# Altium PCB higgs.PcbDoc (part 10 of 25)
Units mm, origin at the board's own origin, x right, y up, seen from the top; angles counter-clockwise.
Board outline 160 x 160 mm, 15 copper layers (TOP, P1(GND), S1(V), P2(GND), S2(H), P3(GND), S3(V12/V2V5), S4(VDDR), P4(GND), S5(V), P5(GND), S6(H), P6(GND), P1(GND) (Plane1), BOT), stack 3.262 mm thick; 1283 components, 2419 nets, 11066 pads, 5487 vias.
Unrouted connection lines stored in the file: 239.
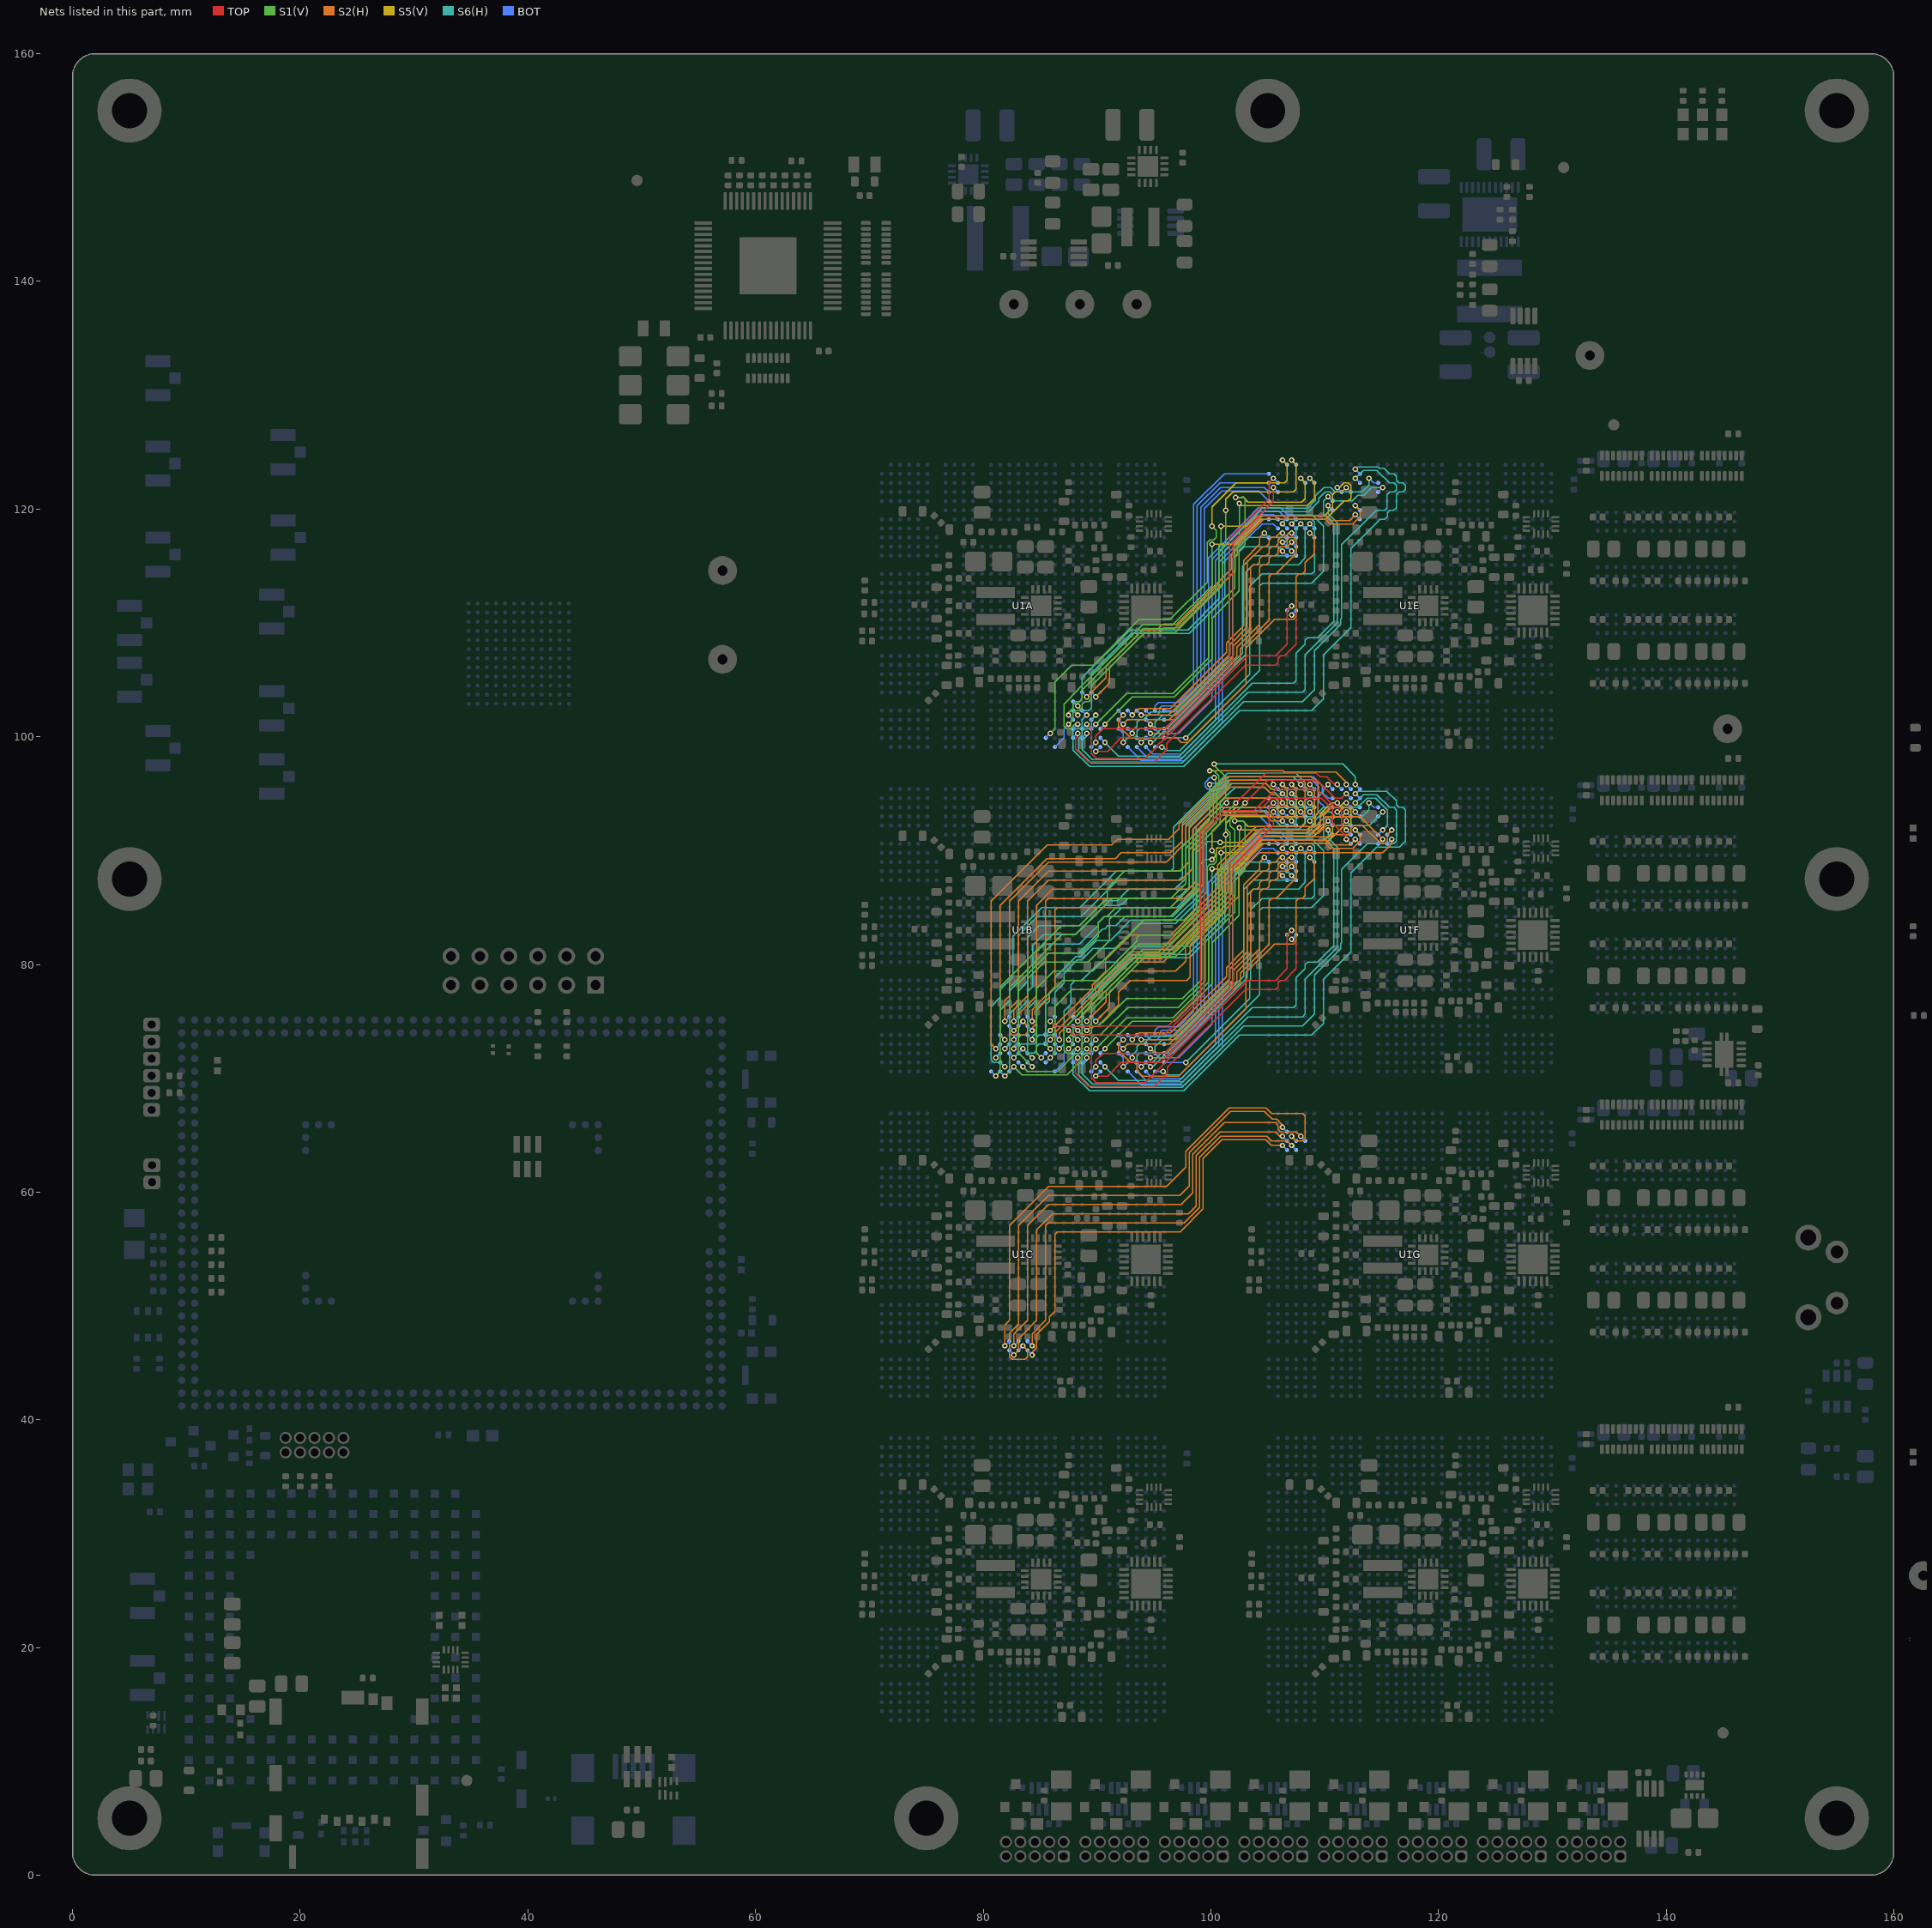
[diagram p23: the nets of this part, all layers, seen from the top]

## Via types
v1: diameter 0.483, hole 0.254, TOP to BOT, tented both sides, 5146 vias
v2: diameter 0.457, hole 0.254, TOP to BOT, tented both sides, 278 vias
v3: diameter 0.5, hole 0.25, TOP to BOT, 50 vias
v4: diameter 0.483/0/0/0/0.483/0/0/0.483 (per signal layer), hole 0.254, TOP to BOT, tented both sides, 7 vias
v5: diameter 0.483, hole 0.254, TOP to BOT, tented bottom, 5 vias
v6: diameter 0.483, hole 0.254, TOP to BOT, 1 vias

## Nets (pads, with @x,y where several pads share a name; then routed paths per layer and width w, separated by ;. In a path a pad name is that pad's centre, name@x,y a point inside that pad or via, vN(x,y) a via of type N, cw(c..) or ccw(c..) an arc to the next point about the centre after c; other vN are vias at no path point) (continued)
IL07_30.LR.G2.D4_N: U1A.AD26 U1E.L6 | length 34.3
  S2(H) w0.102: v1(89.9,103.5) 91.101,104.701 91.101,106.065 94.117,109.082 95.37,109.082 95.864,109.575 97.117,109.575 102.124,114.582 102.124,115.773 102.328,115.977 102.328,116.777 103.128,117.577 103.128,117.604 104.623,119.099 110.074,119.099 110.478,118.695 112.46,118.695 113.099,119.335 113.099,119.899 112.7,120.298 v1(112.7,120.3)
  BOT w0.102: U1A.AD26@89.5,103.9 v1(89.9,103.5) ; v1(112.7,120.3) U1E.L6@113.1,119.9
IL07_30.LR.G2.D4_P: U1A.AC26 U1E.L7 | length 33.5
  S2(H) w0.102: v1(89.1,103.5) 90.796,105.196 90.796,106.192 93.991,109.387 95.244,109.387 95.737,109.88 96.99,109.88 101.819,114.709 101.819,115.9 102.023,116.103 102.023,116.903 102.823,117.703 102.823,117.73 104.497,119.404 110.201,119.404 110.605,119 112.2,119 v1(112.7,119.5)
  BOT w0.102: U1A.AC26@88.7,103.9 v1(89.1,103.5) ; v1(112.7,119.5) U1E.L7@113.1,119.1
IL07_30.LR.G2.S_N: U1A.AB27 U1E.N4 | length 41.4
  S6(H) w0.102: v1(88.3,102.7) 88.699,102.301 89.265,102.301 89.499,102.535 89.499,105.568 93.018,109.087 98.105,109.087 101.231,112.213 101.231,116.369 104.649,119.787 108.618,119.787 109.505,120.674 109.505,120.936 110.068,121.499 110.2,121.499 110.465,121.499 110.699,121.265 110.699,120.936 110.935,120.701 112.426,120.701 112.921,121.196 113.427,121.196 114.131,121.9 v1(115.1,121.9)
  BOT w0.102: U1A.AB27@87.9,103.1 v1(88.3,102.7) ; U1E.N4@114.7,121.5 v1(115.1,121.9)
IL07_30.LR.G2.S_P: U1A.AB28 U1E.N3 | length 41.3
  S6(H) w0.102: v1(88.3,101.9) 87.901,102.299 87.901,102.865 88.136,103.101 88.465,103.101 88.699,103.335 88.699,104.199 88.7,104.2 88.7,105.2 92.892,109.392 97.979,109.392 100.714,112.128 100.714,116.283 104.522,120.091 108.491,120.091 109.2,120.8 109.2,121.169 109.931,121.9 110.536,121.9 110.935,121.501 113.301,121.501 113.9,122.1 v1(113.9,122.7)
  BOT w0.102: U1A.AB28@87.9,102.3 v1(88.3,101.9) ; v1(113.9,122.7) 114.3,122.3 U1E.N3@114.7,122.3
IL07_30.LR.G3.D0_N: U1A.AE30 U1E.E3 | length 37.5
  S1(V) w0.102: v1(90.7,101.1) 93.1,103.5 96.8,103.5 100.1,106.8 100.1,110.4 102.498,112.798 102.498,116.398 103,116.9 103,120.9 102.8,121.1 102.731,121.031 v1(102.182,121.031)
  S5(V) w0.102: v1(102.182,121.031) 102.731,121.031 102.8,121.1 103.277,120.623 108,120.623 108.299,120.922 108.299,121.265 108.299,122.301 v1(107.9,122.7)
  BOT w0.102: U1A.AE30@90.3,100.7 v1(90.7,101.1) ; v1(107.9,122.7) U1E.E3@108.3,122.3
IL07_30.LR.G3.D0_P: U1A.AD30 U1E.F3 | length 37
  S1(V) w0.102: v1(89.9,101.1) 92.605,103.805 96.674,103.805 99.795,106.926 99.795,110.76 102.099,113.064 102.099,116.43 102.5,116.831 v1(102.5,120.5)
  S5(V) w0.102: v1(102.5,120.5) 102.682,120.318 108.483,120.318 109.099,120.935 109.099,122.301 v1(108.7,122.7) v1(108.7,122.7)
  BOT w0.102: U1A.AD30@89.5,100.7 v1(89.9,101.1) ; v1(108.7,122.7) U1E.F3@109.1,122.3
IL07_30.LR.G3.D1_N: U1A.Y32 U1E.D1 | length 39.8
  S1(V) w0.102: v1(87.5,101.1) 87.9,101.5 87.9,102.064 88.135,102.299 88.464,102.299 88.701,102.537 88.701,102.865 88.935,103.099 89.264,103.099 89.5,103.336 89.5,104.464 94.236,109.2 96.9,109.2 101,113.3 101,116.588 101.004,116.593 ; 101,116.597 101,116.669 101.3,116.969 v1(101.3,119.9)
  S5(V) w0.102: v1(101.3,119.9) 101.3,120.865 101.934,121.499 107.099,121.499 107.101,121.501 107.265,121.501 107.5,121.736 107.5,123.9 v1(107.1,124.3)
  BOT w0.102: U1A.Y32@86.3,99.1 87.1,99.9 87.1,100.7 v1(87.5,101.1) ; v1(107.1,124.3) U1E.D1@107.5,123.9
IL07_30.LR.G3.D1_P: U1A.W31 U1E.C1 | length 39.7
  S1(V) w0.102: v1(85.9,100.3) 86.301,100.701 86.301,104.801 87.799,106.299 88.923,106.299 88.941,106.281 89.272,106.281 89.29,106.299 89.695,106.299 93.696,110.301 96.425,110.301 99.701,113.577 99.701,117.065 99.935,117.299 100.264,117.299 100.499,117.535 100.499,118.101 v1(100.1,118.5)
  S5(V) w0.102: v1(100.1,118.5) 100.101,120.201 102.199,122.299 106.3,122.299 106.302,122.301 106.465,122.301 106.699,122.535 106.699,123.901 v1(106.3,124.3)
  BOT w0.102: U1A.W31@85.5,99.9 v1(85.9,100.3) ; v1(106.3,124.3) U1E.C1@106.7,123.9
IL07_30.LR.G3.D2_N: U1A.AD29 U1E.L3 | length 56
  S6(H) w0.102: 89.265,100.699 88.935,100.699 ; v1(89.9,101.9) 89.499,101.499 89.499,100.935 89.265,100.701 88.936,100.701 88.935,100.699 ; 109.099,105.199 109.099,104.135 108.065,103.101 102.894,103.101 97.484,97.691 89.482,97.691 88.396,98.777 88.396,99.792 ; 109.1,105.2 109.1,107.569 111.405,109.874 111.405,110.3 111.499,110.394 111.499,116.864 113.668,119.032 114.536,119.901 115.276,119.901 115.499,120.124 115.499,121.264 115.735,121.499 116.104,121.499 116.299,121.695 116.299,122.065 116.065,122.299 115.696,122.299 114.704,123.291 114.682,123.291 114.568,123.406 113.406,123.406 v1(112.7,122.7) ; 88.396,99.792 88.396,99.832 88.699,100.135 88.699,100.464 88.701,100.465 ; 88.396,99.792 88.701,100.096 88.701,100.465 ; 88.701,100.465 88.935,100.699
  BOT w0.102: U1A.AD29@89.5,101.5 v1(89.9,101.9) ; v1(112.7,122.7) U1E.L3@113.1,122.3
IL07_30.LR.G3.D2_P: U1A.AC28 U1E.L2 | length 57.7
  S6(H) w0.102: v1(89.1,101.9) 88.7,101.5 88.7,100.9 88.499,100.699 88.135,100.699 87.901,100.465 87.901,98.842 89.356,97.387 97.611,97.387 102.525,102.301 108.865,102.301 109.899,103.335 109.899,107.199 112.3,109.6 112.3,116.536 114.37,118.605 ; v1(112.7,123.5) 112.91,123.711 114.694,123.711 114.808,123.596 115.228,123.596 115.725,123.099 116.065,123.099 116.299,122.865 116.299,122.701 116.299,122.536 116.536,122.299 116.865,122.299 117.099,122.065 117.099,121.735 116.864,121.499 116.535,121.499 116.299,121.264 116.299,120.135 116.064,119.899 115.735,119.899 115.501,119.665 115.501,119.336 115.265,119.101 114.935,119.101 114.905,119.13 114.375,118.6
  BOT w0.102: U1A.AC28@88.7,102.3 v1(89.1,101.9) ; v1(112.7,123.5) U1E.L2@113.1,123.1
IL07_30.LR.G3.D3_N: U1A.AB29 U1E.K4 | length 38.1
  S1(V) w0.102: v1(87.5,101.9) 87.5,102.136 87.899,102.535 87.899,102.864 88.135,103.099 88.298,103.099 88.3,103.101 88.465,103.101 88.699,103.335 88.699,103.499 88.701,103.501 88.701,104.096 94.109,109.505 96.774,109.505 100.695,113.426 100.695,116.795 100.9,117 v1(100.9,118.5)
  S5(V) w0.102: v1(100.9,118.5) 103.196,118.5 104.1,119.404 109.968,119.404 110.701,120.136 110.701,121.265 110.935,121.499 111.499,121.499 v1(111.9,121.9)
  BOT w0.102: v1(87.5,101.9) U1A.AB29@87.9,101.5 ; v1(111.9,121.9) U1E.K4@112.3,121.5
IL07_30.LR.G3.D3_P: U1A.AB30 U1E.J4 | length 42
  S1(V) w0.102: v1(88.3,101.1) 88.064,101.1 87.665,100.701 87.335,100.701 87.099,100.937 87.099,102.864 88.396,104.161 88.396,104.223 93.983,109.81 96.648,109.81 100.1,113.262 v1(100.1,116.9)
  S5(V) w0.102: v1(100.1,116.9) 102.201,116.9 104.4,119.099 110.095,119.099 111.696,120.701 112.065,120.701 112.299,120.935 112.299,121.265 112.299,122.065 112.064,122.3 111.695,122.3 111.295,121.9 v1(111.1,121.9)
  BOT w0.102: U1A.AB30@87.9,100.7 v1(88.3,101.1) ; v1(111.1,121.9) U1E.J4@111.5,121.5
IL07_30.LR.G3.D4_N: U1A.AE31 U1E.H5 | length 39.7
  S6(H) w0.102: v1(90.7,99.5) 91.899,98.301 97.232,98.301 103.632,104.701 107.265,104.701 107.501,104.936 107.501,107.336 108.299,108.135 108.299,108.464 108.536,108.701 109.37,108.701 110.795,110.126 110.795,118.673 109.901,119.567 109.901,120.701 v1(110.3,121.1)
  BOT w0.102: U1A.AE31@90.3,99.9 v1(90.7,99.5) ; v1(110.3,121.1) U1E.H5@110.7,120.7
IL07_30.LR.G3.D4_P: U1A.AC31 U1E.H6 | length 42.9
  S6(H) w0.102: v1(89.1,100.3) 89.1,100.064 88.701,99.665 88.701,98.904 89.608,97.996 97.358,97.996 103.261,103.899 108.064,103.899 108.299,104.135 108.299,107.199 111.1,110 111.1,118.799 110.3,119.599 v1(110.3,120.3)
  BOT w0.102: U1A.AC31@88.7,99.9 v1(89.1,100.3) ; v1(110.3,120.3) U1E.H6@110.7,119.9
IL07_30.LR.G3.S_N: U1A.AB31 U1E.D17 | length 30
  TOP w0.102: v1(88.3,100.3) 88.3,100.041 88.115,99.856 88.115,98.944 89.259,97.8 95.064,97.8 96.199,98.935 96.199,98.936 96.101,99.035 96.101,99.365 96.199,99.464 96.199,99.468 103.032,106.301 105.665,106.301 105.901,106.537 105.901,106.865 106.135,107.099 106.464,107.099 107.499,108.135 107.499,108.299 107.5,108.3 107.499,108.301 107.499,110.301 v1(107.1,110.7)
  BOT w0.102: U1A.AB31@87.9,99.9 v1(88.3,100.3) ; v1(107.1,110.7) U1E.D17@107.5,111.1
IL07_30.LR.G3.S_P: U1A.AC30 U1E.C17 | length 29
  TOP w0.102: v1(89.1,101.1) 89.499,100.701 89.499,98.536 89.931,98.105 94.24,98.105 95.301,99.165 95.301,99.265 95.534,99.499 95.634,99.499 103.236,107.101 105.665,107.101 106.699,108.135 106.699,111.099 v1(107.1,111.5)
  BOT w0.102: U1A.AC30@88.7,100.7 v1(89.1,101.1) ; U1E.C17@106.7,111.1 v1(107.1,111.5)
IL07_30.TB.G8.D0_N: U1A.AG29 U1E.D9 | length 27.1
  S2(H) w0.102: v1(92.3,101.1) 92.699,101.499 96.323,101.499 101.981,107.157 101.981,107.981 103.501,109.501 103.501,114.865 103.735,115.099 104.064,115.099 104.301,115.336 104.301,115.665 104.535,115.899 104.864,115.899 105.099,116.135 105.099,116.464 105.335,116.699 105.599,116.699 105.601,116.701 105.665,116.701 105.9,116.936 105.9,117.264 106.135,117.499 106.464,117.499 106.864,117.9 v1(107.1,117.9)
  BOT w0.102: U1A.AG29@91.9,101.5 v1(92.3,101.1) ; v1(107.1,117.9) U1E.D9@107.5,117.5
IL07_30.TB.G8.D0_P: U1A.AG28 U1E.F9 | length 33.3
  S2(H) w0.102: v1(92.3,101.9) 91.901,101.501 91.901,100.935 92.936,99.899 97.003,99.899 97.401,99.501 97.965,99.501 103.082,104.618 103.082,107.789 105.592,110.299 107.264,110.299 107.499,110.535 107.499,112.135 107.501,112.136 107.501,114.065 107.735,114.299 108.064,114.299 108.301,114.536 108.301,115.274 109.099,116.073 109.099,117.501 v1(108.7,117.9)
  BOT w0.102: U1A.AG28@91.9,102.3 v1(92.3,101.9) ; v1(108.7,117.9) U1E.F9@109.1,117.5
IL07_30.TB.G8.D1_N: U1A.AH28 U1E.A9 | length 23.6
  S2(H) w0.102: v1(93.1,101.9) 93.69,102.49 96.452,102.49 101.371,107.409 101.371,108.233 102.891,109.753 102.891,115.487 104.3,116.895 104.3,117.5 v1(104.7,117.9)
  BOT w0.102: U1A.AH28@92.7,102.3 v1(93.1,101.9) ; v1(104.7,117.9) U1E.A9@105.1,117.5
IL07_30.TB.G8.D1_P: U1A.AJ28 U1E.C9 | length 24.2
  S2(H) w0.102: v1(93.9,101.9) 96.293,101.9 101.676,107.283 101.676,108.107 103.196,109.627 103.196,115.361 104.535,116.699 104.864,116.699 105.099,116.935 105.099,117.264 105.335,117.499 105.581,117.499 ; 105.582,117.5 105.664,117.5 106.064,117.9 v1(106.3,117.9)
  BOT w0.102: U1A.AJ28@93.5,102.3 v1(93.9,101.9) ; v1(106.3,117.9) U1E.C9@106.7,117.5
IL07_30.TB.G8.D2_N: U1A.AG30 U1E.C11 | length 28.7
  S6(H) w0.102: v1(92.3,99.5) 92.701,99.901 93.265,99.901 93.499,100.135 93.499,100.464 93.735,100.699 93.898,100.699 93.9,100.701 94.865,100.701 95.099,100.935 95.099,100.999 95.101,101.001 95.101,101.265 95.717,101.882 96.889,101.882 101.914,106.908 101.914,115.679 102.936,116.7 105.9,116.7 v1(106.3,116.3)
  BOT w0.102: U1A.AG30@91.9,100.7 92.3,100.3 v1(92.3,99.5) ; v1(106.3,116.3) U1E.C11@106.7,115.9
IL07_30.TB.G8.D2_P: U1A.AH30 U1E.D11 | length 28.6
  S6(H) w0.102: v1(93.1,100.3) 93.1,100.536 93.499,100.935 93.499,101.099 93.5,101.264 93.736,101.5 94.064,101.5 94.751,102.186 96.762,102.186 101.61,107.034 101.61,115.805 103.304,117.499 104.699,117.499 ; 104.7,117.5 106.464,117.5 106.699,117.265 106.699,116.701 v1(107.1,116.3)
  BOT w0.102: U1A.AH30@92.7,100.7 v1(93.1,100.3) ; v1(107.1,116.3) U1E.D11@107.5,115.9
IL07_30.TB.G8.D3_N: U1A.AK30 U1E.C10 | length 25.8
  S2(H) w0.102: v1(94.7,100.3) 95.986,100.3 102.59,106.904 102.59,107.728 105.101,110.239 105.101,114.065 105.335,114.299 105.704,114.299 107.499,116.095 107.499,116.299 ; v1(106.3,117.1) 106.536,117.1 106.935,117.499 107.265,117.499 107.5,117.264 107.5,116.3
  BOT w0.102: U1A.AK30@94.3,100.7 v1(94.7,100.3) ; v1(106.3,117.1) U1E.C10@106.7,116.7
IL07_30.TB.G8.D3_P: U1A.AK29 U1E.D10 | length 24.3
  S2(H) w0.102: v1(94.7,101.1) 95.099,100.701 95.956,100.701 102.286,107.03 102.286,107.855 104.301,109.87 104.301,114.865 104.535,115.099 104.864,115.099 105.099,115.335 105.099,115.399 105.101,115.401 105.101,115.665 105.335,115.899 105.664,115.899 105.899,116.135 105.899,116.299 105.901,116.301 105.901,116.465 106.135,116.699 106.701,116.699 107.1,117.098 v1(107.1,117.1)
  BOT w0.102: U1A.AK29@94.3,101.5 v1(94.7,101.1) ; v1(107.1,117.1) U1E.D10@107.5,116.7
IL07_30.TB.G13.C_N: U1A.AE32 U1E.B4 | length 33.4
  TOP w0.102: v1(89.9,98.7) 90.936,98.7 92.135,99.899 92.199,99.899 92.2,99.9 95.605,99.9 101.951,106.246 101.951,117.151 105.5,120.7 v1(105.5,121.9)
  BOT w0.102: v1(89.9,98.7) U1A.AE32@90.3,99.1 ; v1(105.5,121.9) U1E.B4@105.9,121.5
IL07_30.TB.G13.C_P: U1A.AD32 U1E.B3 | length 34
  TOP w0.102: v1(89.9,99.5) 89.9,100.064 90.535,100.699 95.973,100.699 101.646,106.373 101.646,117.415 105.101,120.87 105.101,122.301 v1(105.5,122.7)
  BOT w0.102: U1A.AD32@89.5,99.1 v1(89.9,99.5) ; v1(105.5,122.7) U1E.B3@105.9,122.3
IL07_30.TB.G13.D0_N: U1A.AK28 U1E.A3 | length 29
  BOT w0.102: U1A.AK28@94.3,102.3 94.7,101.9 95.266,101.9 95.5,102.134 95.5,102.5 95.691,102.691 95.726,102.691 95.734,102.7 96.066,102.7 96.074,102.691 96.419,102.691 96.428,102.7 97.276,102.7 98.805,104.229 98.805,120.291 100.814,122.3 U1E.A3@105.1,122.3
IL07_30.TB.G13.D0_P: U1A.AL28 U1E.A2 | length 28.3
  BOT w0.102: U1A.AL28@95.1,102.3 95.1,102.7 95.405,103.005 97.149,103.005 98.5,104.355 98.5,120.417 101.183,123.1 U1E.A2@105.1,123.1
IL07_30.TB.G13.D1_N: U1A.AM29 U1E.A5 | length 27.3
  BOT w0.102: U1A.AM29@95.9,101.5 96.938,101.5 99.414,103.977 99.414,120.039 100.976,121.6 104.2,121.6 U1E.A5@105.1,120.7
IL07_30.TB.G13.D1_P: U1A.AM28 U1E.A4 | length 26.9
  BOT w0.102: U1A.AM28@95.9,102.3 97.307,102.3 99.11,104.103 99.11,120.165 100.85,121.905 104.695,121.905 U1E.A4@105.1,121.5
IL07_30.TB.G13.D2_N: U1A.AL30 U1E.C7 | length 27.4
  BOT w0.102: U1A.AL30@95.1,100.7 95.5,100.3 95.9,100.3 97.162,100.3 100.105,103.243 100.105,115.593 103.23,118.718 104.316,119.805 105.995,119.805 U1E.C7@106.7,119.1
IL07_30.TB.G13.D2_P: U1A.AM30 U1E.D7 | length 27
  BOT w0.102: U1A.AM30@95.9,100.7 96.7,100.7 99.8,103.8 99.8,115.72 103.103,119.023 104.19,120.109 106.122,120.109 106.731,119.5 107.1,119.5 U1E.D7@107.5,119.1
IL07_30.TB.G13.D3_N: U1A.AJ32 U1E.A7 | length 28.8
  BOT w0.102: U1A.AJ32@93.5,99.1 94.41,98.19 97.553,98.19 100.714,101.352 100.714,115.341 103.482,118.109 104.473,119.1 U1E.A7@105.1,119.1
IL07_30.TB.G13.D3_P: U1A.AK32 U1E.B7 | length 28.9
  BOT w0.102: U1A.AK32@94.3,99.1 94.905,98.495 97.426,98.495 100.41,101.479 100.41,115.467 103.356,118.414 104.442,119.5 105.5,119.5 U1E.B7@105.9,119.1
IL07_30.TB.G13.D4_N: U1A.AJ31 U1E.E8 | length 28.8
  S6(H) w0.102: v1(93.9,99.5) 94.3,99.9 94.864,99.9 95.709,100.745 96.183,100.745 102.795,107.357 102.795,110.631 102.799,110.635 102.799,110.965 102.795,110.969 102.795,111.531 102.799,111.535 102.799,111.865 102.795,111.869 102.795,114.96 103.735,115.899 103.799,115.899 ; 103.8,115.9 106.3,115.9 ; 106.301,115.901 107.265,115.901 107.499,116.135 107.499,116.299 107.501,116.301 107.501,118.301 v1(107.9,118.7)
  BOT w0.102: U1A.AJ31@93.5,99.9 v1(93.9,99.5) ; v1(107.9,118.7) U1E.E8@108.3,118.3
IL07_30.TB.G13.D4_P: U1A.AK31 U1E.F8 | length 28.9
  S6(H) w0.102: v1(94.7,99.5) 94.895,99.5 95.835,100.44 96.309,100.44 103.1,107.231 103.1,110.505 103.104,110.508 103.104,111.092 103.1,111.095 103.1,111.405 103.104,111.408 103.104,111.992 103.1,111.995 103.1,114.464 103.735,115.099 107.699,115.099 108.301,115.701 108.301,118.301 v1(108.7,118.7)
  BOT w0.102: U1A.AK31@94.3,99.9 v1(94.7,99.5) ; v1(108.7,118.7) U1E.F8@109.1,118.3
IL07_30.TB.G13.D5_N: U1A.AL32 U1E.C8 | length 34.8
  S6(H) w0.102: v1(95.7,99.1) 95.8,99.1 96.099,98.801 96.334,98.801 96.665,98.801 ; 96.665,98.801 97.265,98.801 104.299,105.835 104.299,106.799 104.301,106.801 104.301,113.265 104.535,113.499 108.864,113.499 109.9,114.536 109.9,117.7 ; v1(106.3,118.7) 106.3,118.8 106.982,119.482 108.914,119.482 109.899,118.496 109.899,117.701
  BOT w0.102: U1A.AL32@95.1,99.1 v1(95.7,99.1) v1@95.8,99.1 ; v1(106.3,118.7) U1E.C8@106.7,118.3
IL07_30.TB.G13.D5_P: U1A.AM31 U1E.D8 | length 30.9
  S6(H) w0.102: v1(97.8,99.9) 103.405,105.505 103.405,110.378 103.409,110.382 103.409,111.218 103.405,111.222 103.405,111.278 103.409,111.282 103.409,112.118 103.405,112.122 103.405,113.205 104.5,114.3 108.864,114.3 109.1,114.536 109.1,118.864 108.865,119.099 107.801,119.099 107.8,119.1 107.5,119.1 v1(107.1,118.7)
  BOT w0.102: U1A.AM31@95.9,99.9 v1(97.8,99.9) ; v1(107.1,118.7) U1E.D8@107.5,118.3
IL07_30.TB.G13.D6: U1A.AH32 U1E.B8 | length 30.7
  BOT w0.102: U1A.AH32@92.7,99.1 93.914,97.886 97.679,97.886 101.019,101.226 101.019,115.215 103.608,117.804 104.505,118.7 105.5,118.7 U1E.B8@105.9,118.3
IL07_31.LR.G0.D0_N: U1B.U26 U1F.D5 | length 40
  S2(H) w0.102: v1(84.3,75) 84.3,76.036 85.499,77.235 85.499,85.564 85.735,85.799 97.669,85.799 99.023,87.153 99.023,91.578 100.845,93.4 104.936,93.4 105.336,92.999 106.701,92.999 v1(107.1,92.6)
  BOT w0.102: U1B.U26@83.9,75.4 v1(84.3,75) ; v1(107.1,92.6) U1F.D5@107.5,92.2
IL07_31.LR.G0.D0_P: U1B.U27 U1F.C5 | length 38.8
  S2(H) w0.102: v1(84.3,74.2) 84.3,74.436 84.699,74.835 84.699,76.004 85.804,77.108 85.804,77.539 86.299,78.035 86.299,84.764 86.535,84.999 97.301,84.999 99.328,87.027 99.328,91.452 100.971,93.095 104.809,93.095 105.305,92.6 v1(106.3,92.6)
  BOT w0.102: U1B.U27@83.9,74.6 v1(84.3,74.2) ; v1(106.3,92.6) U1F.C5@106.7,92.2
IL07_31.LR.G0.D1_N: U1B.T27 U1F.C3 | length 45.7
  S2(H) w0.102: 82.3,74.6 82.3,76.1 83.099,76.899 83.099,77.399 ; 82.301,74.599 82.301,74.035 82.535,73.801 83.399,73.801 83.4,73.8 83.664,73.8 83.899,74.035 83.899,74.599 83.5,74.998 v1(83.5,75) ; 83.1,77.4 83.1,85.564 85.736,88.2 97.264,88.2 98.109,89.044 98.109,91.957 101.741,95.59 104.715,95.59 105.02,95.284 105.4,94.904 105.792,94.904 106.3,94.395 v1(106.3,94.2)
  BOT w0.102: U1B.T27@83.1,74.6 v1(83.5,75) ; v1(106.3,94.2) U1F.C3@106.7,93.8
IL07_31.LR.G0.D1_P: U1B.R27 U1F.C4 | length 40.9
  S2(H) w0.102: v1(82.7,74.2) 83.1,74.6 83.1,75.636 84.699,77.235 84.699,77.499 ; 84.7,77.5 84.7,85.2 86.099,86.599 98.038,86.599 98.718,87.279 98.718,91.705 100.814,93.8 105.664,93.8 106.064,93.4 v1(106.3,93.4)
  BOT w0.102: U1B.R27@82.3,74.6 v1(82.7,74.2) ; v1(106.3,93.4) U1F.C4@106.7,93
IL07_31.LR.G0.D2_N: U1B.T26 U1F.E4 | length 42.6
  S2(H) w0.102: v1(82.7,75) 82.7,76.036 83.899,77.235 83.899,77.399 ; 83.9,77.4 83.9,85.564 85.736,87.401 97.386,87.401 98.414,88.428 98.414,91.831 101.182,94.599 105.665,94.599 105.899,94.365 105.899,94.036 106.135,93.801 107.499,93.801 v1(107.9,93.4)
  BOT w0.102: v1(82.7,75) U1B.T26@83.1,75.4 ; v1(107.9,93.4) U1F.E4@108.3,93
IL07_31.LR.G0.D2_P: U1B.R26 U1F.D4 | length 46.6
  S2(H) w0.102: v1(81.9,75) 81.9,76.836 82.299,77.235 82.299,79.3 82.301,79.302 82.301,85.565 85.735,88.999 96.095,88.999 97.804,90.708 97.804,92.083 101.615,95.894 104.841,95.894 105.336,95.399 107.735,95.399 108.065,95.399 108.299,95.165 108.299,93.4 108.299,93.235 108.065,93.001 107.499,93.001 v1(107.1,93.4)
  BOT w0.102: v1(81.9,75) U1B.R26@82.3,75.4 ; v1(107.1,93.4) U1F.D4@107.5,93
IL07_31.LR.G0.D3_N: U1B.P29 U1F.F5 | length 51.6
  S2(H) w0.102: v1(81.1,72.6) 80.7,73 80.7,85.564 85.635,90.499 91.3,90.499 91.801,91 96.3,91 97.066,91.766 97.066,91.777 97.194,91.905 97.194,92.336 101.362,96.504 108.796,96.504 109.404,95.896 109.404,93.304 v1(108.7,92.6)
  BOT w0.102: v1(81.1,72.6) U1B.P29@81.5,73 ; v1(108.7,92.6) U1F.F5@109.1,92.2
IL07_31.LR.G0.D3_P: U1B.P28 U1F.F4 | length 48.6
  S2(H) w0.102: v1(81.9,73.4) 81.5,73.8 81.5,85.195 85.608,89.304 91.639,89.304 92.135,89.799 92.399,89.799 ; 92.4,89.8 96.464,89.8 97.499,90.835 97.499,92.21 101.489,96.199 108.065,96.199 108.301,95.964 108.301,95.635 108.536,95.399 108.865,95.399 109.099,95.165 109.099,93.799 v1(108.7,93.4)
  BOT w0.102: U1B.P28@81.5,73.8 v1(81.9,73.4) ; v1(108.7,93.4) U1F.F4@109.1,93
IL07_31.LR.G0.D4_N: U1B.U28 U1F.D2 | length 41.7
  S6(H) w0.102: v1(84.3,73.4) 84.3,73.636 84.699,74.035 84.699,76.099 85.499,76.899 85.499,80.764 85.735,80.999 88.399,80.999 90.501,83.101 90.665,83.101 90.964,83.399 91.664,83.399 92.465,84.201 96.639,84.201 98.998,86.56 98.998,91.984 101.613,94.599 105.665,94.599 105.899,94.365 105.899,94.036 106.135,93.801 107.265,93.801 107.499,94.035 107.499,94.601 v1(107.1,95)